# Altium PCB IMX035_PCB_Rev_C.c.PcbDoc (part 1 of 2)
Units mil, origin at the board's own origin, x right, y up, seen from the top; angles counter-clockwise.
Board outline 1654.54 x 1654.54 mil, 6 copper layers (TOP, A-VCC, A-GND, D-VCC, D-GND, BOTTOM), stack 47.2 mil thick; 71 components, 136 nets, 334 pads, 240 vias.
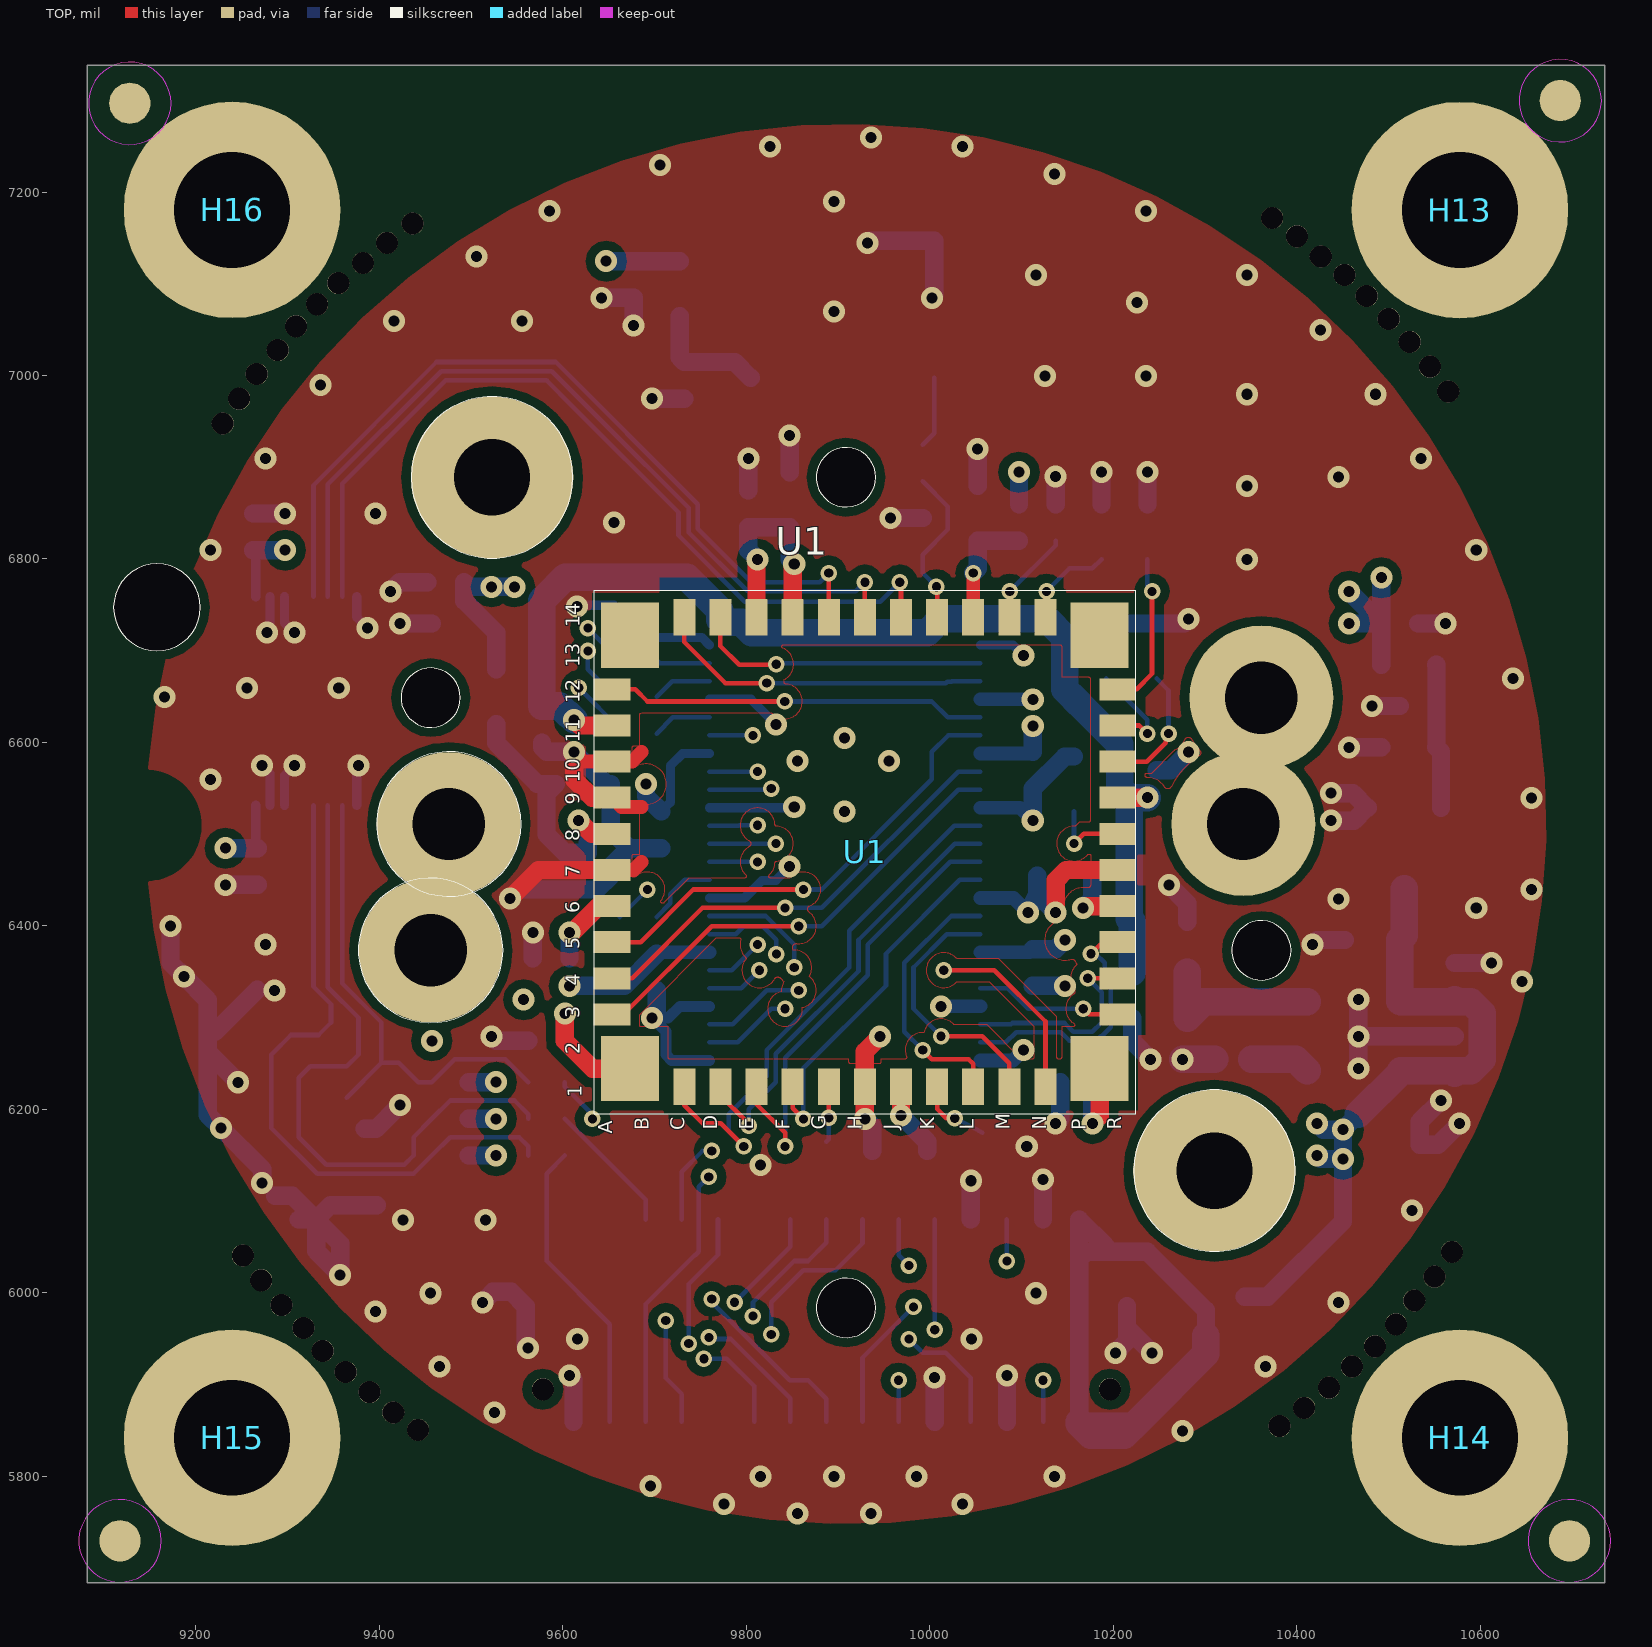
[diagram p0: TOP view]
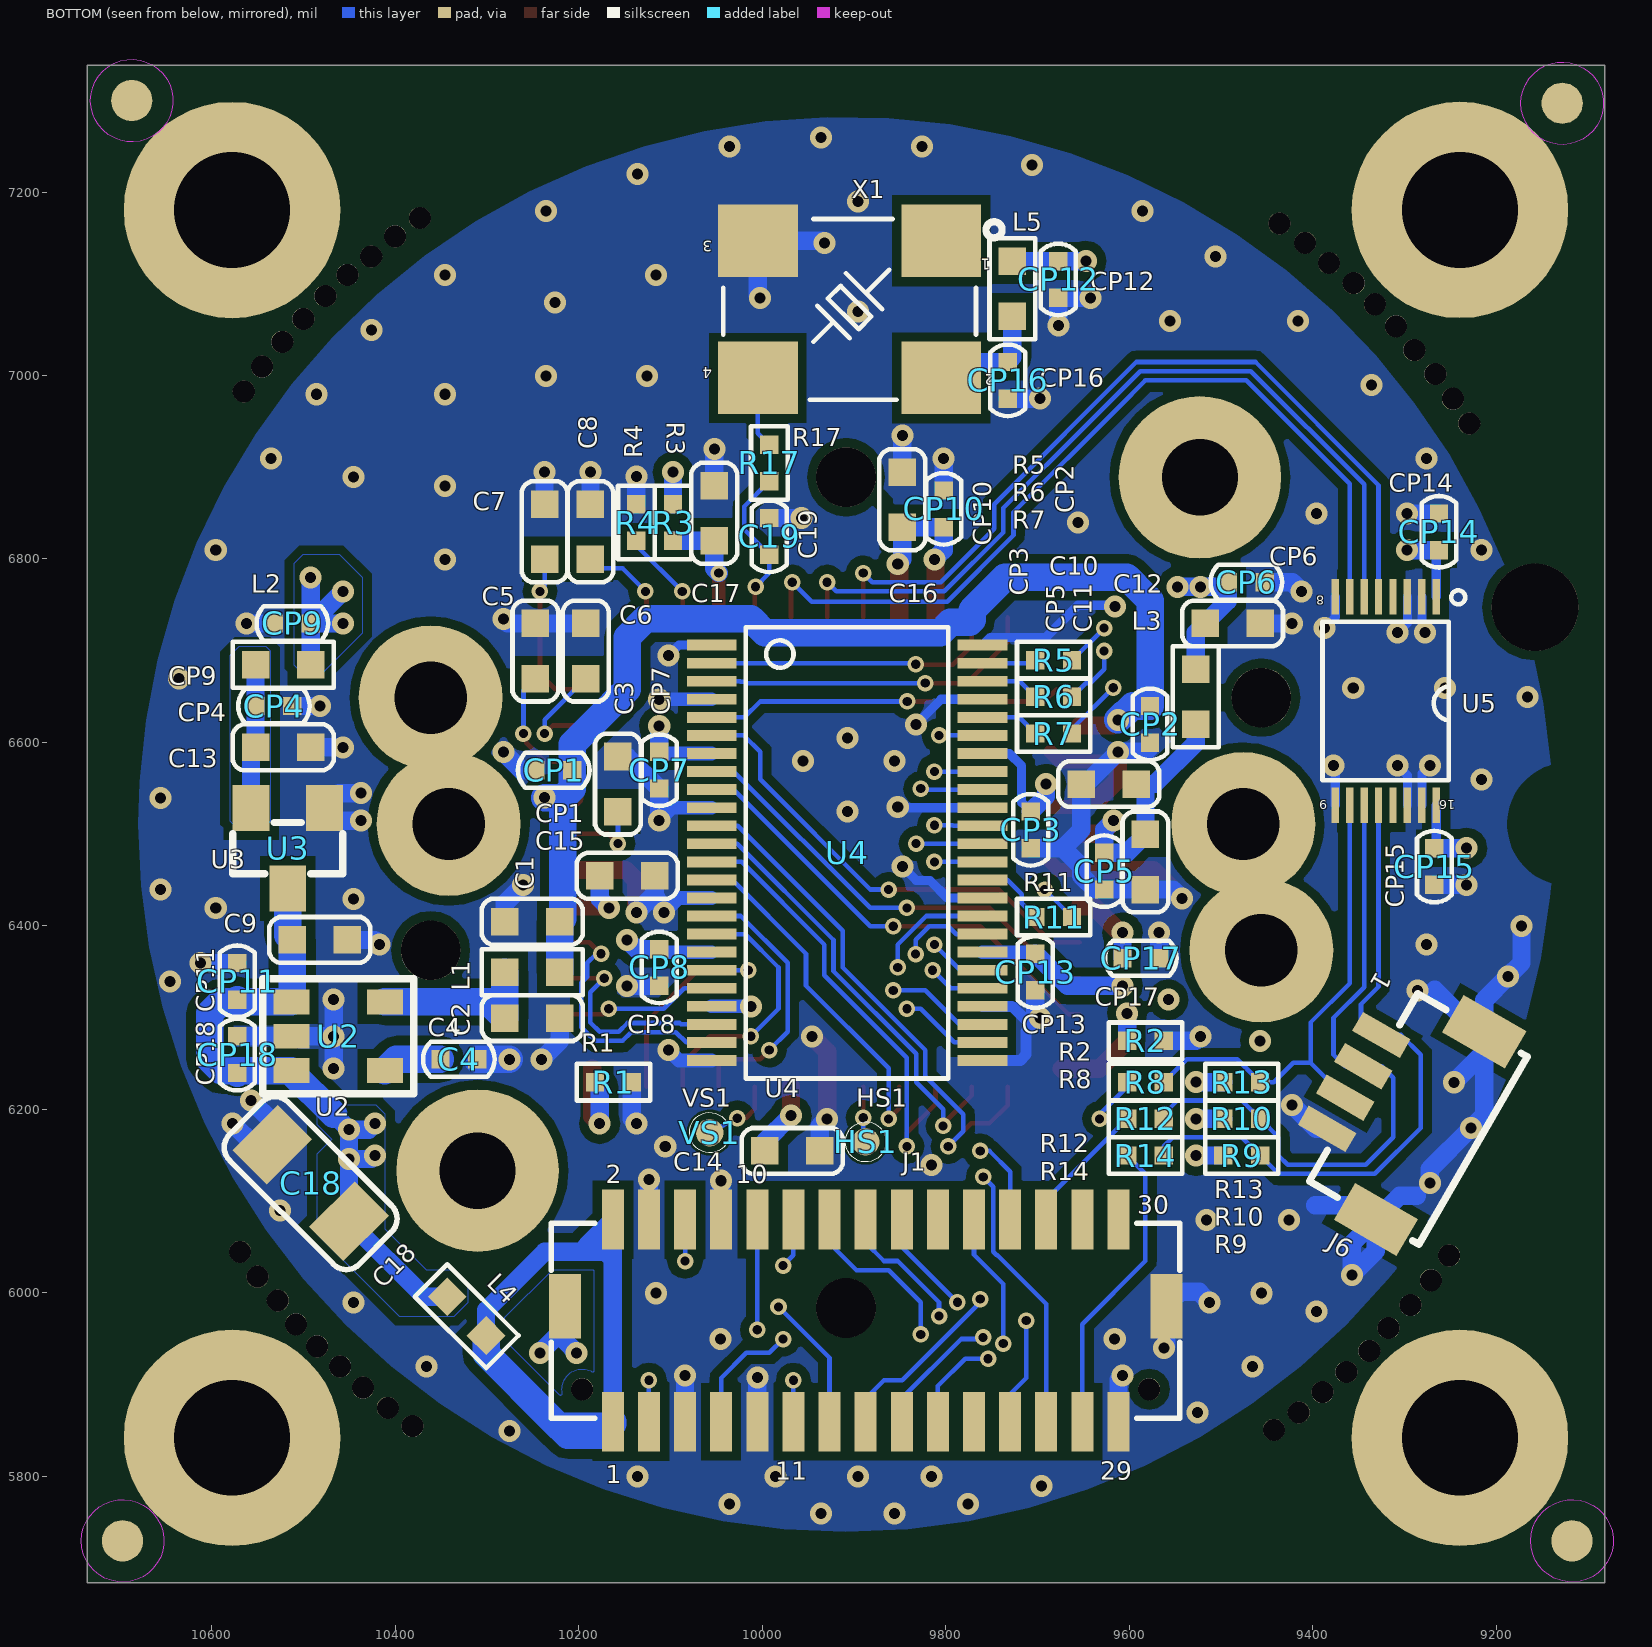
[diagram p1: BOTTOM view, seen from below]
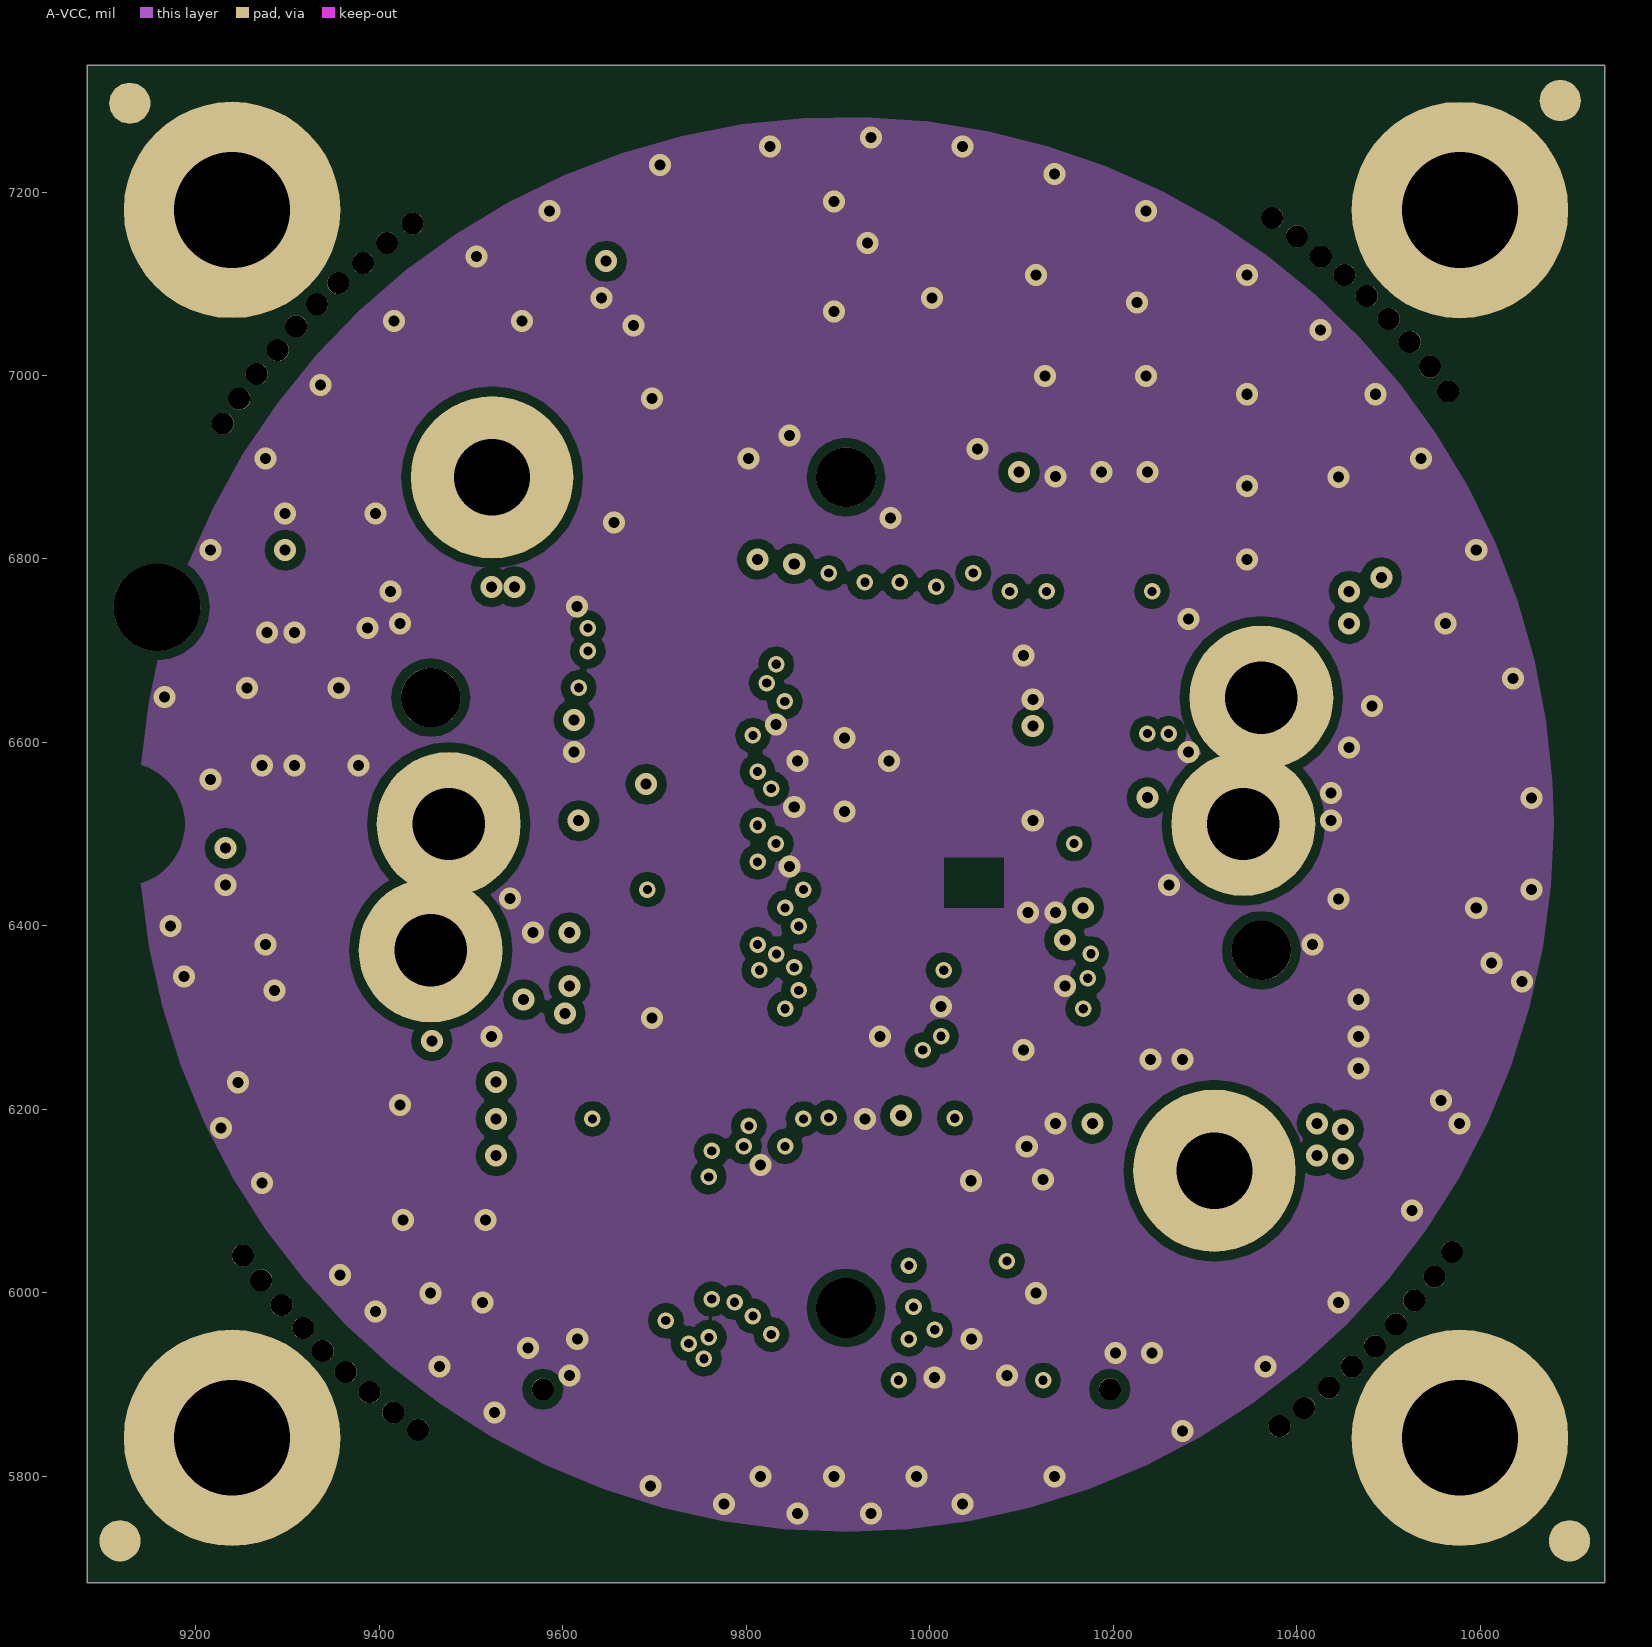
[diagram p2: A-VCC]
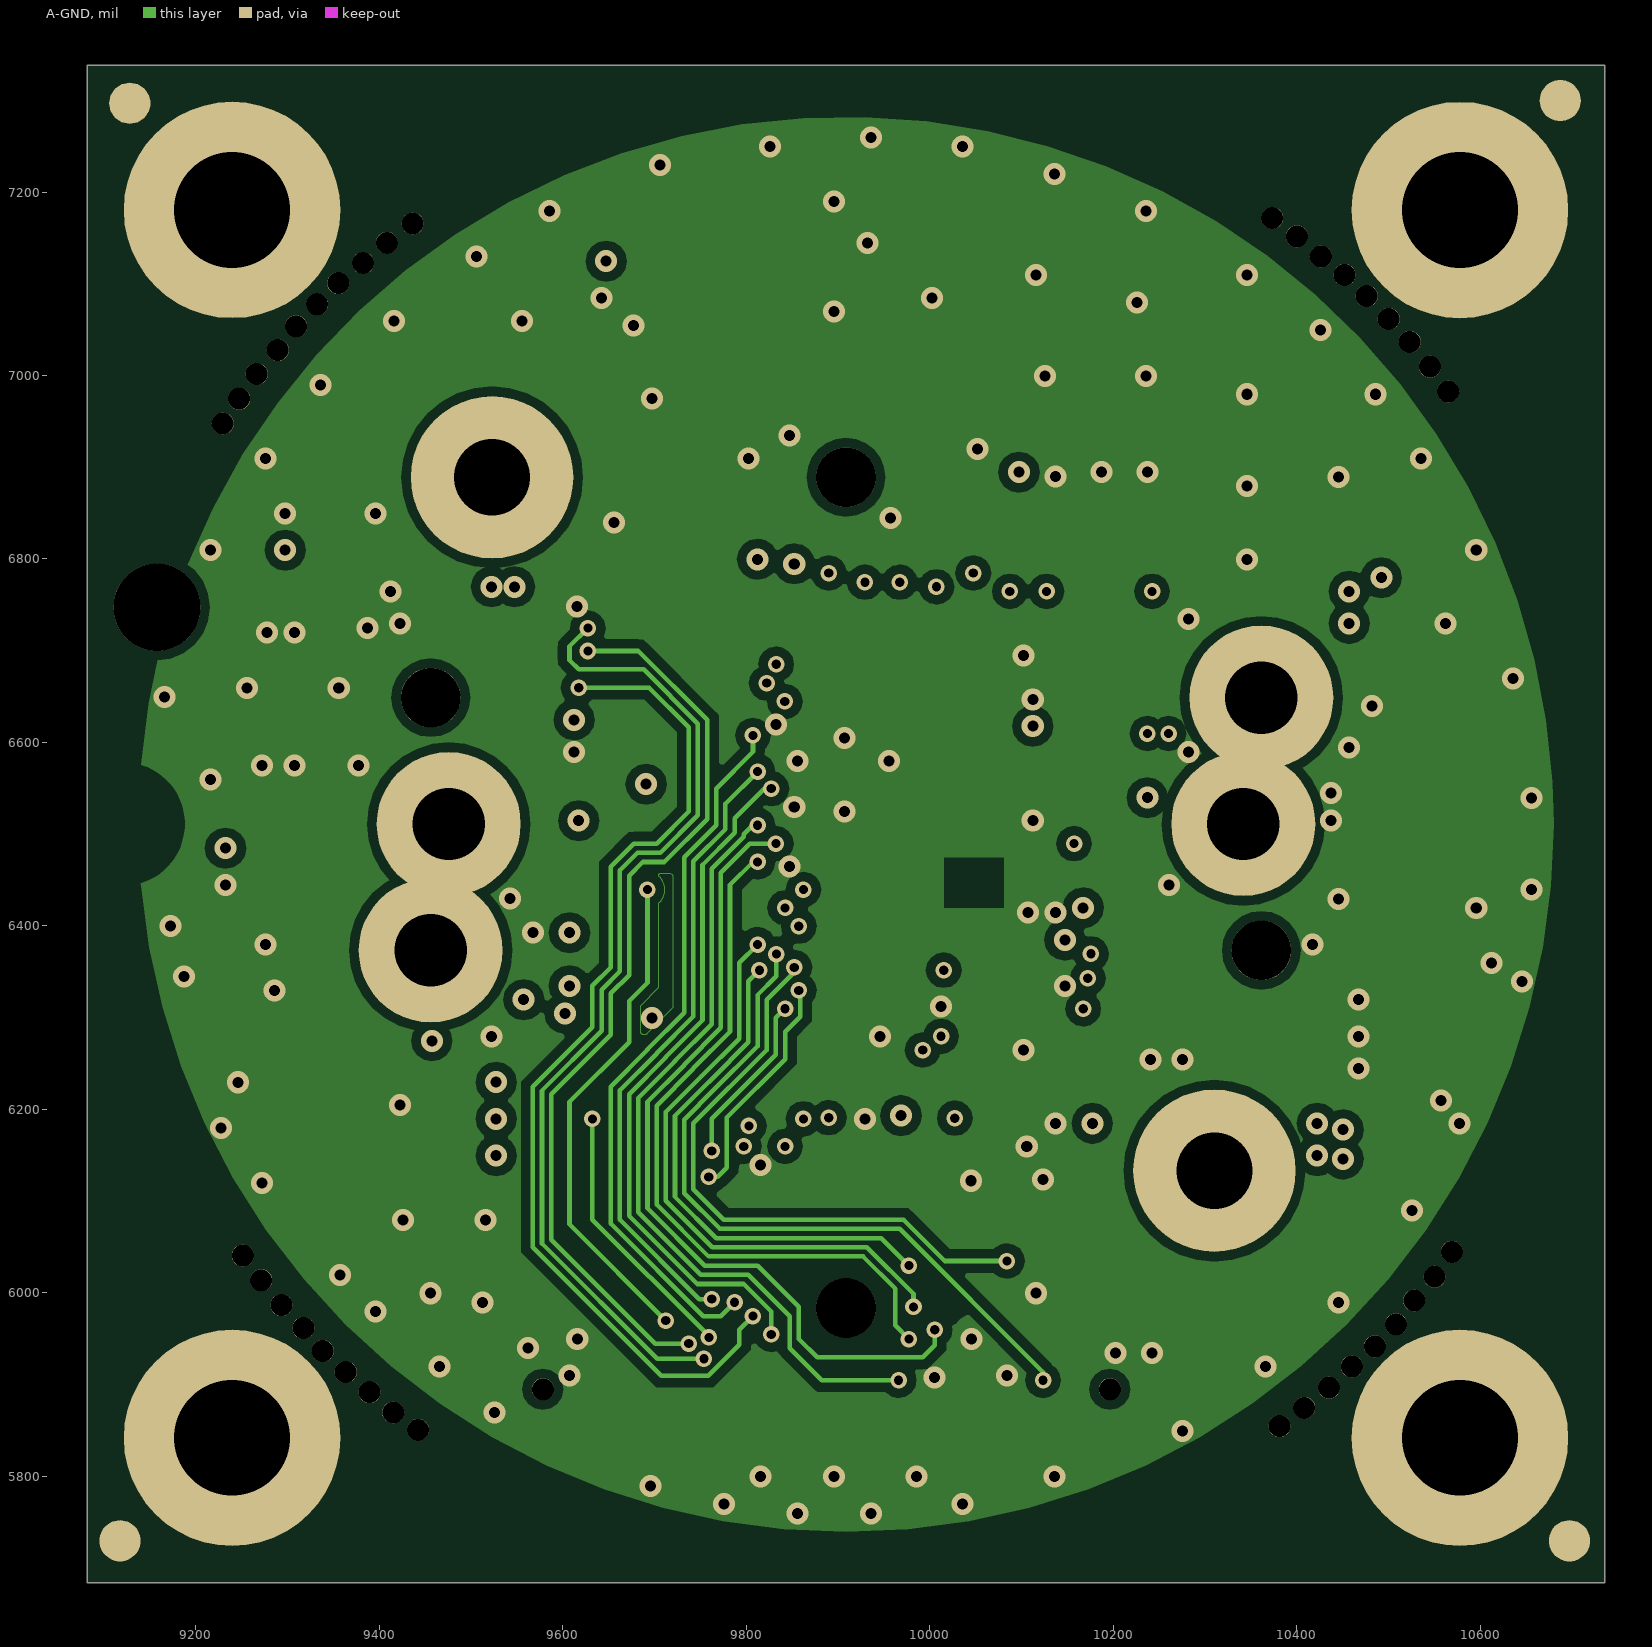
[diagram p3: A-GND]
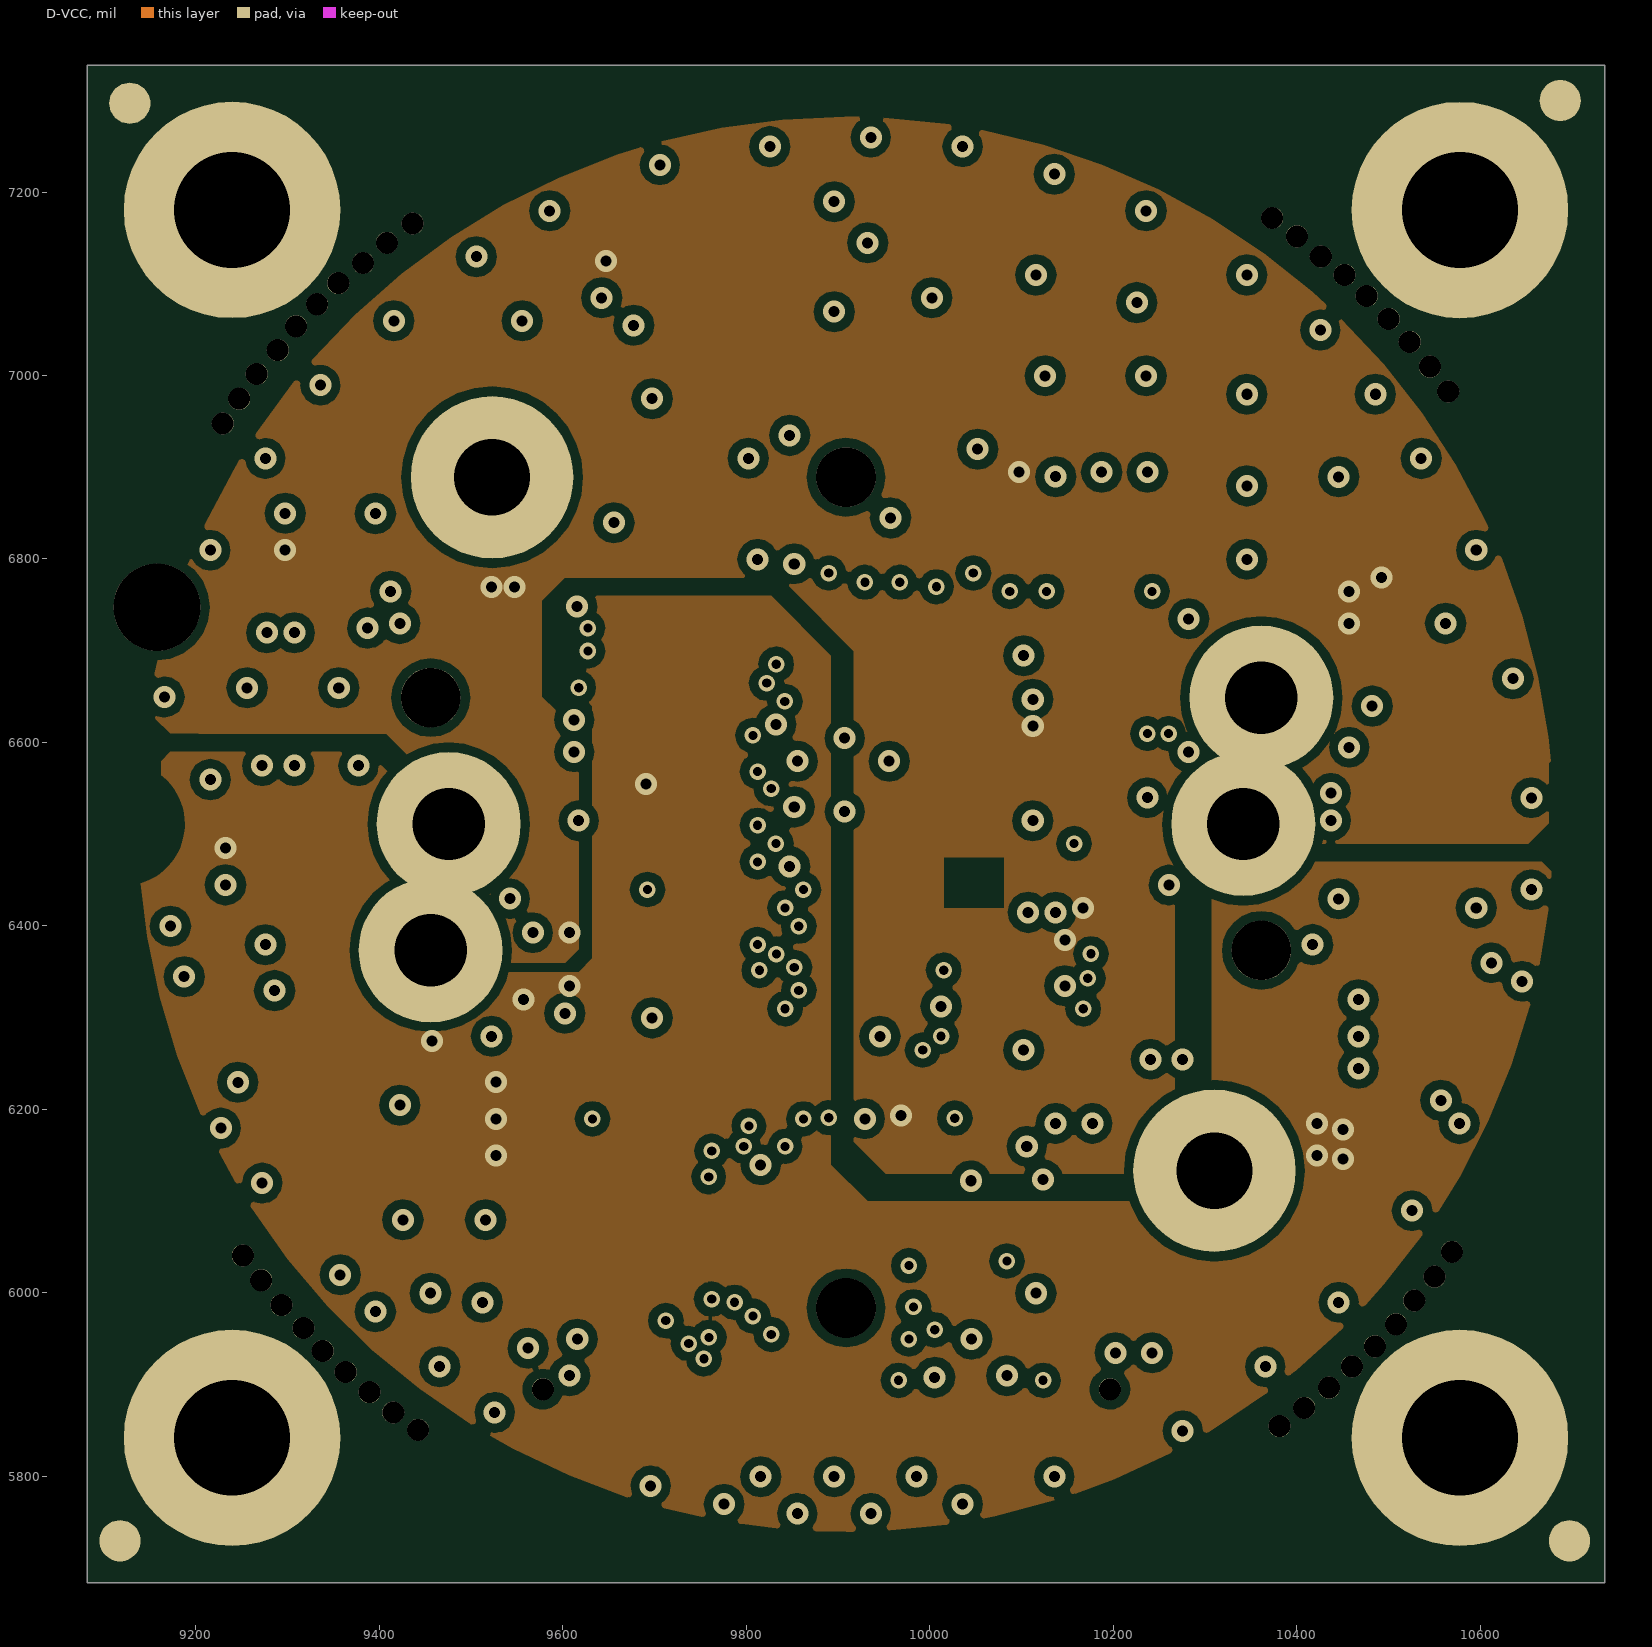
[diagram p4: D-VCC]
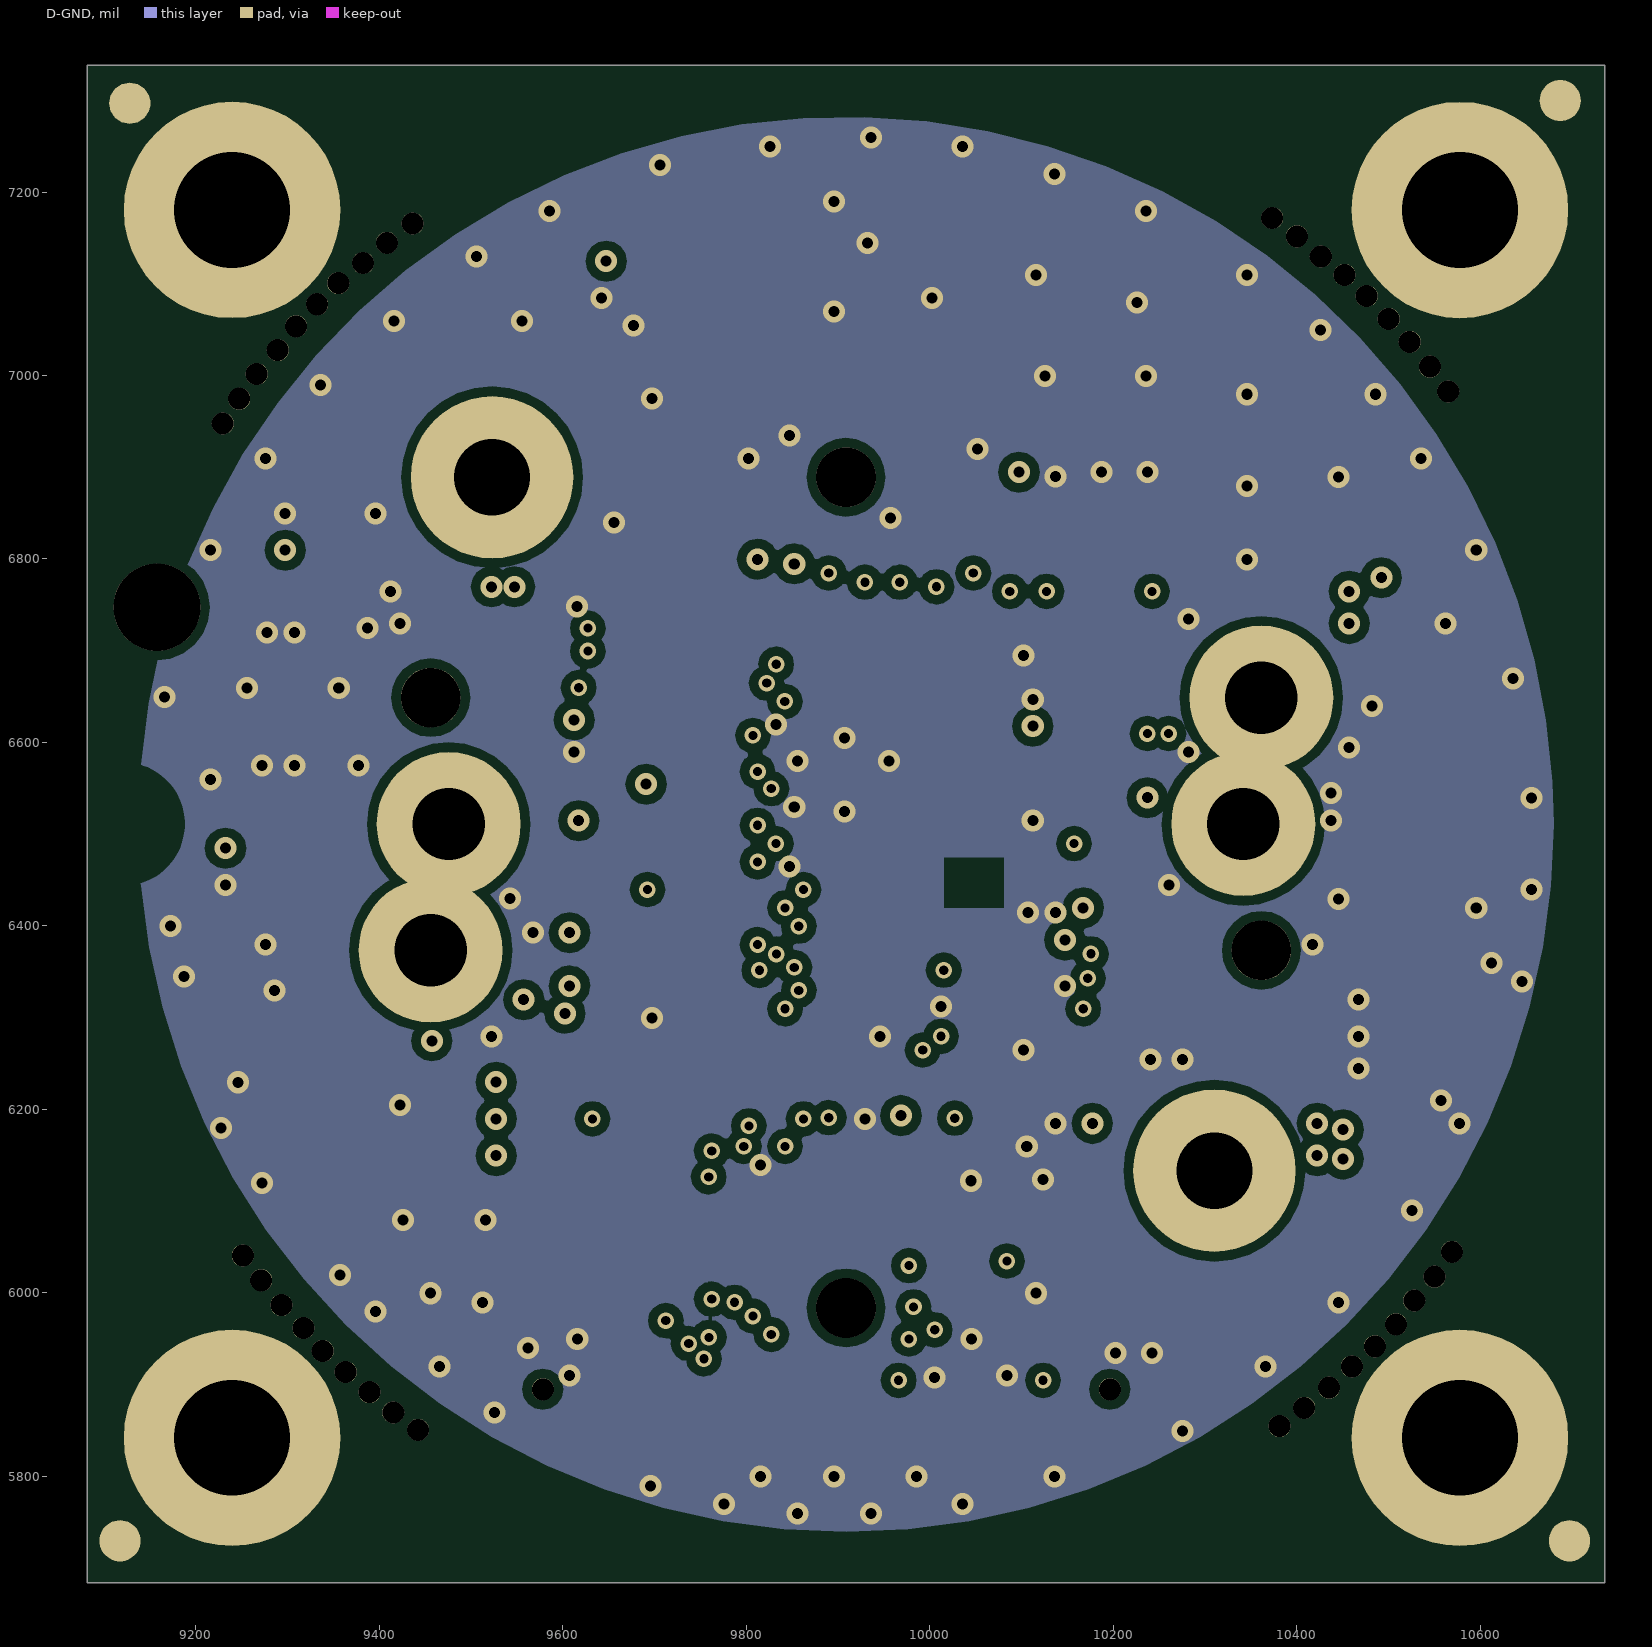
[diagram p5: D-GND]

## Layer stack, top to bottom
TOP: signal copper 1.2
Dielectric: core 8, FR-4, Dk 4.5
A-VCC: signal copper 1.2
Dielectric: core 8, FR-4, Dk 4.5
A-GND: signal copper 1.2
Dielectric: core 8, FR-4, Dk 4.5
D-VCC: signal copper 1.2
Dielectric: core 8, FR-4, Dk 4.5
D-GND: signal copper 1.2
Dielectric: core 8, FR-4, Dk 4.5
BOTTOM: signal copper 1.2

## Board outline
9081.4,5683.8 10735.94,5683.8 10735.94,7338.34 9081.4,7338.34
